# Altium PCB linux-mem.pcbdoc
Units mm, origin at the board's own origin, x right, y up, seen from the top; angles counter-clockwise.
Board outline 98.42 x 69.6 mm, 2 copper layers (Top Layer, Bottom Layer); 46 components, 33 nets, 269 pads, 299 vias.
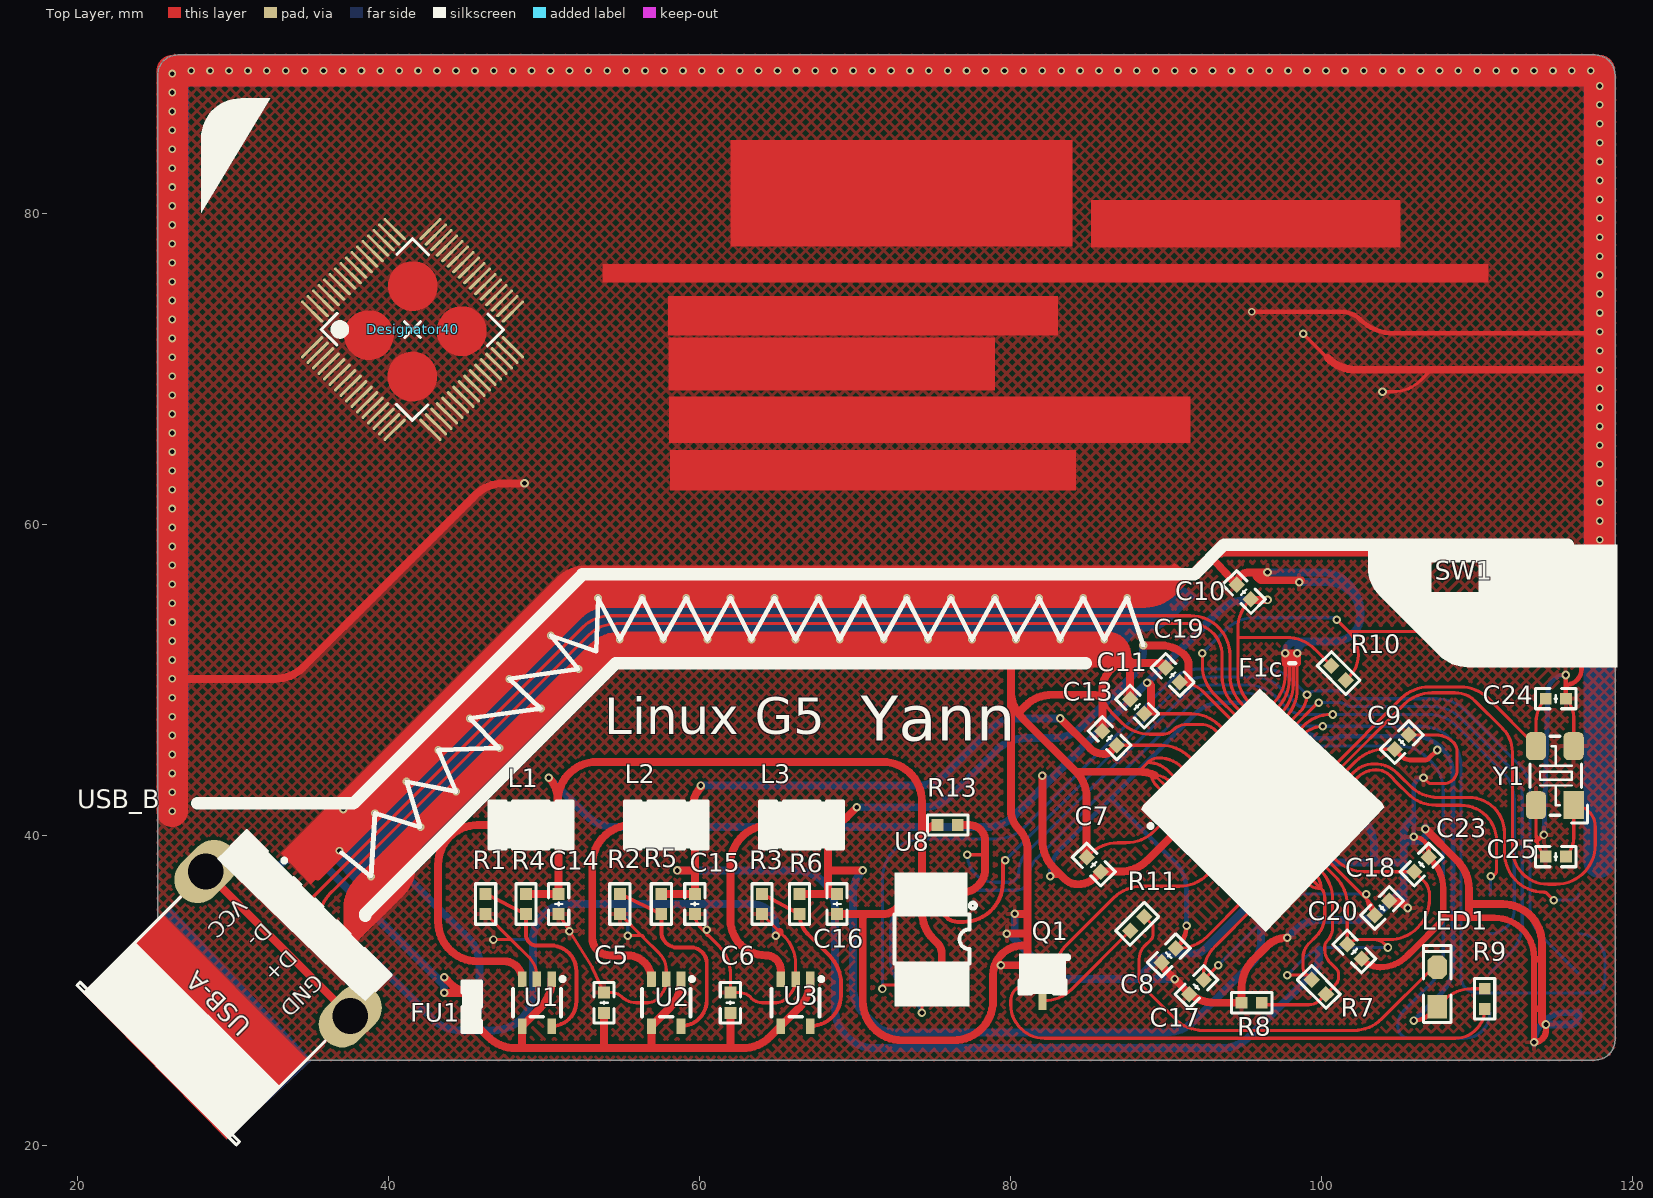
[diagram p0: Top Layer view]
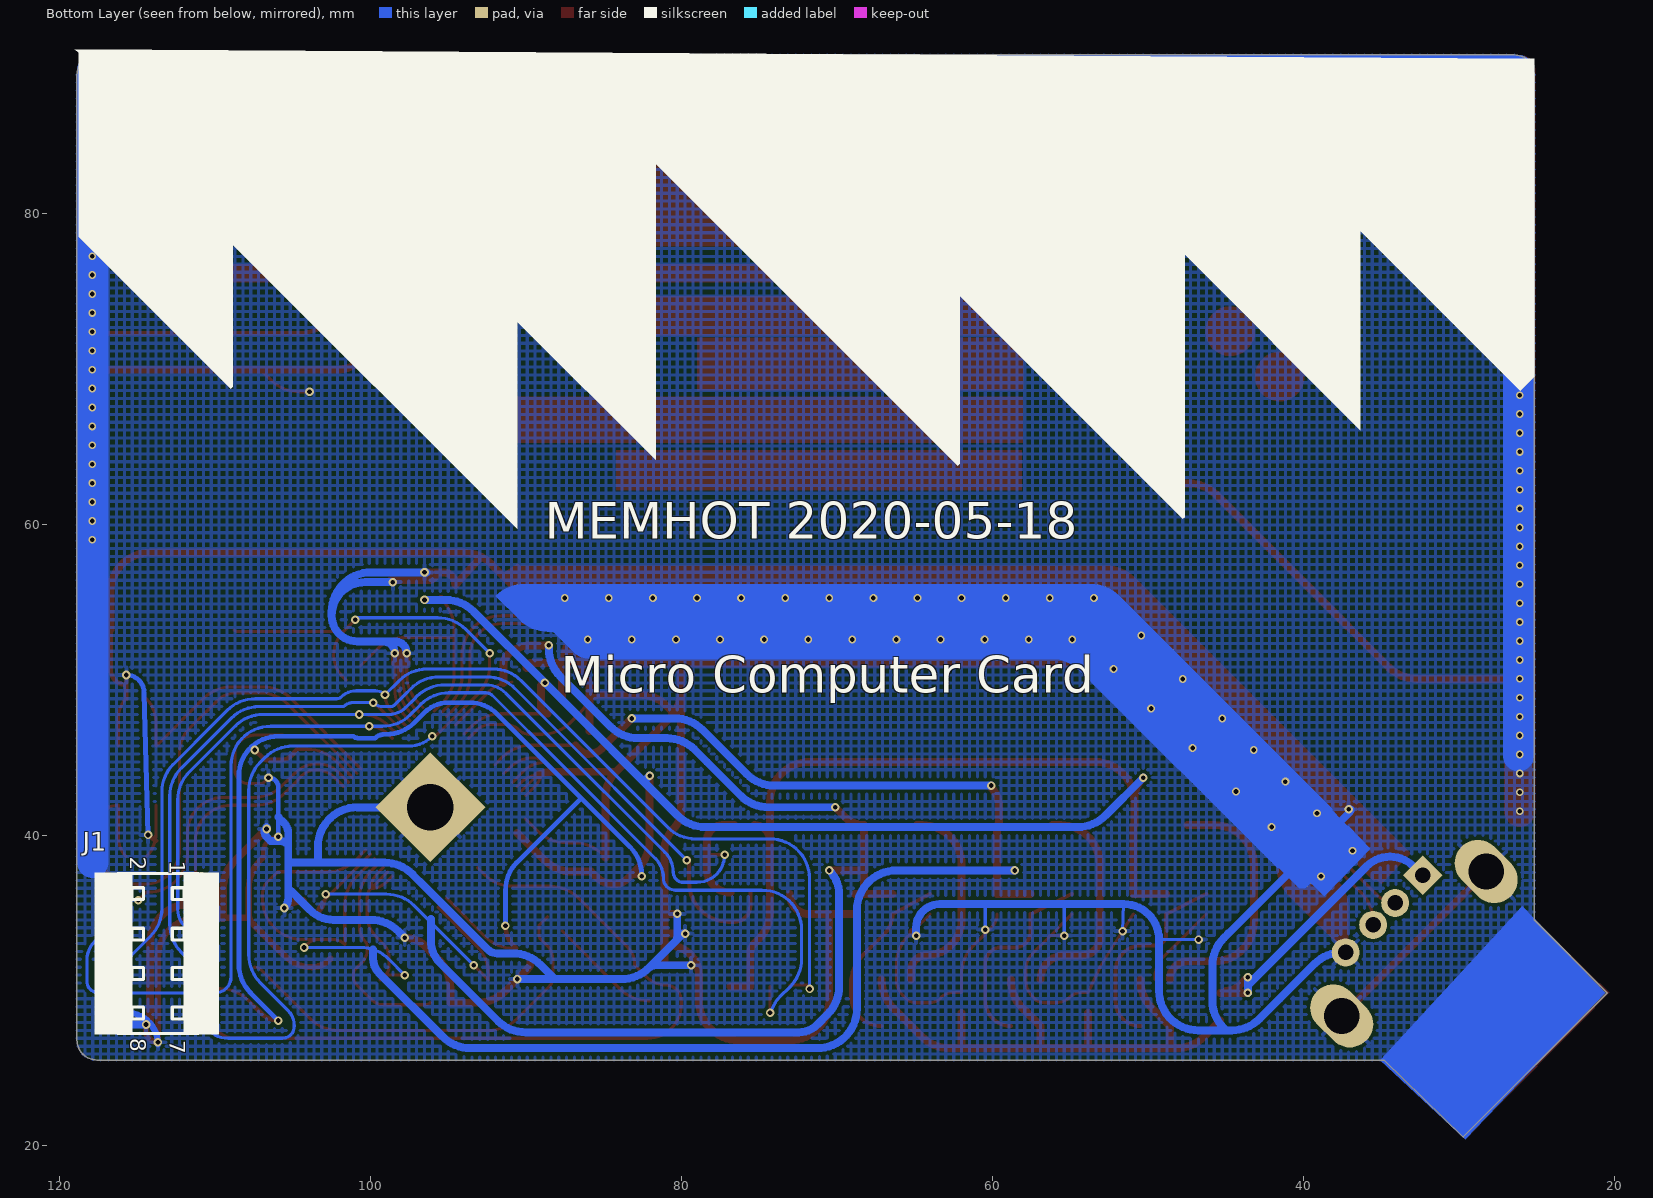
[diagram p1: Bottom Layer view, seen from below]

## Layer stack, top to bottom
Top Solder: solder mask 0.0102, Solder Resist, Dk 3.5
Top Layer: signal copper 0.0356
Dielectric1: dielectric 0.32, FR-4, Dk 4.8
Bottom Layer: signal copper 0.0356
Bottom Solder: solder mask 0.0102, Solder Resist, Dk 3.5

## Board outline
20.447,29.845 25.146,34.544 25.146,88.9 cw(c26.416,88.9) 26.416,90.17 117.602,90.17 cw(c117.602,88.9) 118.872,88.9 118.872,26.797 cw(c117.602,26.797) 117.602,25.527 34.798,25.527 29.718,20.574

## Design rules (kind name [scope] priority, off if disabled: settings)
Clearance [All] p1: gap=0.203 ignorepadtopadclearanceinfootprint=FALSE except(0: Arc-Hole Track-Hole SMDPad-Hole THPad-Hole Via-Hole Fill-Hole Poly-Hole Region-Hole Text-Hole)
PolygonConnect [All] p1: connectstyle=Relief reliefconductorwidth=0.254 reliefentries=4 polygonreliefangle="90 Angle" airgapwidth=0.254
RoomDefinition linux [InComponentClass('linux')] p1: confinementstyle=ConfineIn formatcopy=TRUE lockcomponents=FALSE outline 137.287,25.908 390.271,25.908 390.271,45.466 137.287,45.466
RoutingVias [All] p1: holewidth=0.3 width=0.55 viastyle="Through Hole" minholewidth=0.3 minwidth=0.55 maxholewidth=0.3 maxwidth=0.55
SilkToSolderMaskClearance SilkscreenOverComponentPads [IsPad] p1: minsilkscreentomaskgap=0.254 clearancetoexposedcopper=TRUE
SolderMaskExpansion [All] p1: expansion=0.102
Width [All] p1: maxlimit=0.508 minlimit=0.203 preferedwidth=0.406
29 further rules are at their usual default settings.

## Components (designator, comment, footprint, x,y, rotation, side; value= is the part's Value field where it differs from the comment)
C5 "2u2" "C 0603_L" 53.848,29.21 r90 top
C6 "2u2" "C 0603_L" 61.976,29.21 r90 top
C7 "2U2" "C 0603_L" 85.344,38.1 r315 top
C8 "100n" "C 0603_L" 90.17,32.258 r45 top
C9 "100n" "C 0603_L" 105.156,45.974 r225 top
C10 "100n" "C 0603_L" 94.996,55.626 r315 top
C11 "100n" "C 0603_L" 88.138,48.26 r315 top
C13 "100n" "C 0603_L" 86.36,46.228 r315 top
C14 "22u" "C 0603_L" 50.927,35.56 r90 top
C15 "22u" "C 0603_L" 59.69,35.56 r90 top
C16 "22u" "C 0603_L" 68.834,35.56 r90 top
C17 "100n" "C 0603_L" 91.948,30.226 r45 top
C18 "100n" "C 0603_L" 103.886,35.306 r225 top
C19 "100n" "C 0603_L" 90.424,50.292 r315 top
C20 "1u" "C 0603_L" 102.108,32.512 r135 top
C23 "1u" "C 0603_L" 106.426,38.1 r225 top
C24 "30P" "C 0603_L" 115.062,48.768 r180 top
C25 "30P" "C 0603_L" 115.062,38.608 r0 top
Designator40 "Comment" STC8A8K64S4A12_LQFP64S 41.529,72.517 r45 top
F1c "F1C100S" QFN-88_10.0X10.0XP04MM 96.139,41.783 r45 top
FU1 "5V 800mA" "FU 0603" 45.339,28.956 r270 top
J1 "Header 4X2" HDR2.54-M-LS-2x4P 113.665,32.385 r270 bottom
L1 "2U2" "L 1210" 49.149,40.64 r0 top
L2 "2U2" "L 1210" 57.848,40.64 r0 top
L3 "2U2" "L 1210" 66.548,40.64 r0 top
LED1 "红色" "LED 0805B" 107.442,30.226 r90 top
Q1 "Device:Q_NMOS_GSD" SOT23-3N 82.042,30.48 r180 top
R1 "11K" "R 0603_L" 46.228,35.56 r270 top
R2 "11K" "R 0603_L" 54.864,35.56 r270 top
R3 "10K" "R 0603_L" 64.008,35.56 r270 top
R4 "49K9" "R 0603_L" 48.831,35.56 r90 top
R5 "36K" "R 0603_L" 57.531,35.56 r90 top
R6 "8K2" "R 0603_L" 66.421,35.56 r90 top
R7 "2K2" "R 0603_L" 99.822,30.226 r315 top
R8 "2K2" "R 0603_L" 95.504,29.21 r180 top
R9 "49K9" "R 0603_L" 110.49,29.464 r90 top
R10 "49K9" "R 0603_L" 101.092,50.419 r135 top
R11 "R" "R 0603_L" 88.138,34.29 r45 top
R13 "3K3" "R 0603_L" 75.946,40.64 r0 top
SW1 "3x6x5" "TSW SMD-3*6*2.5" 112.776,53.213 r0 top
U1 "JW5211" SOT-23-5_L3.0-W1.7-P0.95-LS2.8-BL 49.53,29.21 r180 top
U2 "JW5211" SOT-23-5_L3.0-W1.7-P0.95-LS2.8-BL 57.848,29.21 r180 top
U3 "JW5211" SOT-23-5_L3.0-W1.7-P0.95-LS2.8-BL 66.167,29.21 r180 top
U8 "AT25SF081-SSHD-X" SOIC-8_150MIL 74.93,33.274 r270 top
USB_B "USB" USB-A/S_A 34.798,34.925 r225 top
Y1 "24M" "OSC 5032-4P" 115.062,43.815 r90 top

## Footprints (in the part's own frame and the unit in brackets; to place one, negate y for a bottom-side part, rotate by r counter-clockwise, add the part's x,y. Pads: shape width x height; smd on the part's side, far side on the other; paste and mask are expansions set on the pad)
"C 0603_L" [mil] "无极性贴片电容"
  rect 30x30 smd: 1(-25.59,0) 2(25.59,0)
  silkscreen extent -51,-26 51,26, body extent -31,-16 31,16, height 32
"FU 0603" [mil] "贴片保险丝"
  rect 35x35 smd: 1(-35,0) 2(35,0)
  silkscreen extent -65,-25 65,25, body extent -31,-16 31,16, height 20
HDR2.54-M-LS-2x4P [mm] "脚距：2.54mm，贴片双排母"
  rect 1.02x1.9 smd: 1(-3.81,2.85) 2(-3.81,-2.85) 3(-1.27,2.85) 4(-1.27,-2.85) 5(1.27,2.85) 6(1.27,-2.85) 7(3.81,2.85) 8(3.81,-2.85)
  silkscreen extent -5.15,-2.6 5.14,2.6, body extent -5.11,-3.2 5.11,3.2, height 5.15
"L 1210" [mil] "小功率贴片电感"
  rect 50x105 smd: 1(-67.5,0) 2(67.5,0)
  silkscreen extent -105,-60 105,60, body extent -63,-49 63,49, height 51
"LED 0805B" [mil] "蓝色0805LED"
  rect 60x50 smd: 1(-50,0)
  oct 60x50 smd: 2(50,0)
  silkscreen extent -90,-35 105,35, body extent -39,-25 39,25, height 32
"OSC 5032-4P" [mm] "5mm*3.2mm*0.8mm(长*宽*高)"
  rect 1.8x1.3 smd: 1(-1.9,-1.15)
  rrect50% 1.8x1.3 smd: 2(1.9,-1.15) 3(1.9,1.272) 4(-1.9,1.272)
  silkscreen extent -3.05,-2.03 2.54,1.65, body extent -2.5,-1.6 2.5,1.6, height 0.86
QFN-88_10.0X10.0XP04MM [mm]
  rect 0.95x0.249 smd: 1(-4.875,4.2) 3(-4.875,3.4) 5(-4.875,2.6) 7(-4.875,1.8) 9(-4.875,1) 11(-4.875,0.2) 13(-4.875,-0.601) 14(-4.875,-0.999) 15(-4.875,-1.401) 16(-4.875,-1.799) 17(-4.875,-2.201) 18(-4.875,-2.6) 19(-4.875,-3.001) 20(-4.875,-3.4) 22(-4.875,-4.2) 45(4.876,-4.2) 47(4.876,-3.4) 48(4.876,-3.001) 49(4.876,-2.6) 50(4.876,-2.201) 51(4.876,-1.799) 52(4.876,-1.401) 53(4.876,-0.999) 54(4.876,-0.601) 56(4.876,0.2) 58(4.876,1) 60(4.876,1.8) 62(4.876,2.6) 64(4.876,3.4) 66(4.876,4.2)
  rect 0.95x0.251 smd: 2(-4.875,3.8) 4(-4.875,3) 6(-4.875,2.2) 8(-4.875,1.4) 10(-4.875,0.6) 12(-4.875,-0.201) 21(-4.875,-3.8) 46(4.876,-3.8) 55(4.876,-0.201) 57(4.876,0.6) 59(4.876,1.4) 61(4.876,2.2) 63(4.876,3) 65(4.876,3.8)
  rect 0.249x0.95 smd: 23(-4.199,-4.875) 24(-3.801,-4.875) 25(-3.399,-4.875) 26(-3,-4.875) 27(-2.599,-4.875) 28(-2.2,-4.875) 30(-1.4,-4.875) 32(-0.6,-4.875) 34(0.2,-4.875) 36(1,-4.875) 38(1.8,-4.875) 40(2.6,-4.875) 42(3.4,-4.875) 44(4.2,-4.875) 67(4.2,4.876) 69(3.4,4.876) 71(2.6,4.876) 73(1.8,4.876) 75(1,4.876) 77(0.2,4.876) 79(-0.6,4.876) 81(-1.4,4.876) 83(-2.2,4.876) 84(-2.599,4.876) 85(-3.001,4.876) 86(-3.399,4.876) 87(-3.801,4.876) 88(-4.199,4.876)
  rect 0.251x0.95 smd: 29(-1.8,-4.875) 31(-1,-4.875) 33(-0.2,-4.875) 35(0.6,-4.875) 37(1.4,-4.875) 39(2.2,-4.875) 41(3,-4.875) 43(3.8,-4.875) 68(3.8,4.876) 70(3,4.876) 72(2.2,4.876) 74(1.4,4.876) 76(0.6,4.876) 78(-0.2,4.876) 80(-1,4.876) 82(-1.8,4.876)
  rect 5x5 hole 3: 89(0.001,0)
  silkscreen extent -6.02,-5 5,5
"R 0603_L" [mil] "1/10W贴片电阻"
  rect 30x30 smd: 1(-25.59,0) 2(25.59,0)
  silkscreen extent -51,-26 51,26, body extent -31,-16 31,16, height 16
SOIC-8_150MIL [mm]
  oval 2.2x0.7 smd: 1(-3.023,1.905) 2(-3.023,0.635) 3(-3.023,-0.635) 4(-3.023,-1.905) 5(3.023,-1.905) 6(3.023,-0.635) 7(3.023,0.635) 8(3.023,1.905)
  silkscreen extent -2.37,-2.41 1.55,2.83
SOT23-3N [mm] "3x1.3x1mm(长宽高)"
  rect 0.5x1.2 smd: 1(-0.95,-1.143) 2(0.95,-1.143) 3(0,1.143)
  silkscreen extent -1.73,-1.78 1.5,0.7, body extent -1.5,-1.2 1.5,1.2, height 1.05
SOT-23-5_L3.0-W1.7-P0.95-LS2.8-BL [mm]
  rect 0.55x1 smd: 1(-0.95,-1.5) 2(0,-1.5) 3(0.95,-1.5) 4(0.95,1.5) 5(-0.95,1.5)
  silkscreen extent -1.78,-1.65 1.55,0.9
STC8A8K64S4A12_LQFP64S [mm] "STC8A8K64S4A12_LQFP64S"
  oval 1.95x0.2 smd mask+0.05: 1(-5.375,3.75) 2(-5.375,3.25) 3(-5.375,2.75) 4(-5.375,2.25) 5(-5.375,1.75) 6(-5.375,1.25) 7(-5.375,0.75) 8(-5.375,0.25) 9(-5.375,-0.25) 10(-5.375,-0.75) 11(-5.375,-1.25) 12(-5.375,-1.75) 13(-5.375,-2.25) 14(-5.375,-2.75) 15(-5.375,-3.25) 16(-5.375,-3.75) 33(5.375,-3.75) 34(5.375,-3.25) 35(5.375,-2.75) 36(5.375,-2.25) 37(5.375,-1.75) 38(5.375,-1.25) 39(5.375,-0.75) 40(5.375,-0.25) 41(5.375,0.25) 42(5.375,0.75) 43(5.375,1.25) 44(5.375,1.75) 45(5.375,2.25) 46(5.375,2.75) 47(5.375,3.25) 48(5.375,3.75)
  oval 0.2x1.95 smd mask+0.05: 17(-3.75,-5.375) 18(-3.25,-5.375) 19(-2.75,-5.375) 20(-2.25,-5.375) 21(-1.75,-5.375) 22(-1.25,-5.375) 23(-0.75,-5.375) 24(-0.25,-5.375) 25(0.25,-5.375) 26(0.75,-5.375) 27(1.25,-5.375) 28(1.75,-5.375) 29(2.25,-5.375) 30(2.75,-5.375) 31(3.25,-5.375) 32(3.75,-5.375) 49(3.75,5.375) 50(3.25,5.375) 51(2.75,5.375) 52(2.25,5.375) 53(1.75,5.375) 54(1.25,5.375) 55(0.75,5.375) 56(0.25,5.375) 57(-0.25,5.375) 58(-0.75,5.375) 59(-1.25,5.375) 60(-1.75,5.375) 61(-2.25,5.375) 62(-2.75,5.375) 63(-3.25,5.375) 64(-3.75,5.375)
  silkscreen extent -4.15,-4.15 4.12,4.15, body extent -6.01,-6.01 6.01,6.01, height 1.35
"TSW SMD-3*6*2.5" [mm] "3*6*2.5mm"
  rect 2x1.5 smd: 1(-3.996,-0.02) 2(3.937,0)
  silkscreen extent -3.21,-1.9 3.09,1.9, body extent -4,-1.88 4,1.62, height 2.59
USB-A/S_A [mm] "A型直插母头，"
  rect 1.8x1.8 hole 1: 1(0,-3.5)
  round 1.8 hole 1: 2(0,-1) 3(0,1) 4(0,3.5)
  oval 4.5x3 hole 2.3: 4(2.71,6.57) 4(2.71,-6.57)
  silkscreen extent -1.47,-7.25 13.75,7.25, body extent -7.21,-14 20.8,14, height 6.8

## Part data
C5 C6 C7 C8 C9 C10 C11 C13 C14 C15 C16 C17 C18 C19 C20 C23 C24 C25: library part C, "无极性贴片电容"
F1c: library part F1C100S_1
FU1: library part FU, "贴片保险丝"
J1: "4*2P接插件"
L1 L2 L3: library part L, "小功率贴片电感"
LED1: library part LED-SMD, "贴片LED"
R1 R2 R3 R4 R5 R6 R7 R8 R9 R10 R13: library part R, "贴片电阻"
R11: "贴片电阻"
SW1: library part "TSW 3x6", "3x6轻触开关"
USB_B: library part USB-A/S, "USB-A型母接口"
Y1: library part XTAL-4P, "4脚无源晶振"

## Via types
v1: diameter 0.5, hole 0.3, Top Layer to Bottom Layer, 239 vias
v2: diameter 0.55, hole 0.3, Top Layer to Bottom Layer, 59 vias
v3: diameter 0.66, hole 0.33, Top Layer to Bottom Layer, 1 vias

## Nets (pads, with @x,y where several pads share a name; then routed paths per layer and width w, separated by ;. In a path a pad name is that pad's centre, name@x,y a point inside that pad or via, vN(x,y) a via of type N, cw(c..) or ccw(c..) an arc to the next point about the centre after c; other vN are vias at no path point)
+1V1: C16.2 C17.2 C18.2 C19.2 F1c.22 F1c.35 F1c.71 L3.2 R6.2 | length 108.8
  Top Layer w0.203: C19.2 cw(c90.883,47.7) 92.392,49.208 F1c.71 ; v2(93.345,31.623) C17.2 92.408,31.06 cw(c94.948,31.06) 93.152,32.856 F1c.22 ; F1c.35 103.075,35.696 cw(c102.225,34.847) C18.2 cw(c104.77,36.19) 102.87,36.19 v2(102.87,36.195)
  Top Layer w0.508: R6.2 C16.2 ; 68.199,36.21 ccw(c68.199,36.273) 68.263,36.273 68.263,37.719 ; v2(70.104,41.783) 69.455,41.134 cw(c68.263,42.326) L3.2 68.263,37.719 ; v2(70.485,37.719) 68.263,37.719 ; v2(88.519,52.197) 89.653,52.197 cw(c89.653,50.029) 91.186,51.562 cw(c90.573,50.949) 91.44,50.949 91.44,49.784
  Bottom Layer w0.203: v2(93.345,31.623) 97.173,35.451 cw(c98.969,33.655) 98.969,36.195 v2(102.87,36.195)
  Bottom Layer w0.508: v2(70.104,41.783) 74.386,41.783 ccw(c74.386,44.323) 76.182,42.527 78.359,44.704 79.139,45.484 cw(c80.935,43.688) 80.935,46.228 82.55,46.228 82.768,46.228 ccw(c82.768,48.768) 84.564,46.972 85.598,48.006 87.775,50.183 ccw(c85.979,51.979) 88.519,51.979 v2(88.519,52.197) ; v2(70.485,37.719) ccw(c72.018,36.186) 69.85,36.186 69.85,30.734 69.85,30.262 ccw(c72.39,30.262) 70.594,28.466 71.247,27.813 ccw(c72.473,29.039) 72.473,27.305 76.2,27.305 90.007,27.305 ccw(c90.007,29.845) 91.803,28.049 95.504,31.75 ccw(c94.039,33.215) 96.111,33.215 96.111,34.585
+2V5: C13.2 C15.2 C20.2 C23.2 F1c.30 F1c.31 F1c.32 F1c.34 F1c.36 F1c.80 L2.2 R5.2 R7.1 | length 141.8
  Top Layer w0.203: C13.2 89.687,45.768 cw(c89.687,43.228) 91.483,45.024 F1c.80 ; v2(97.79,30.988) 99.06,30.988 cw(c99.06,30.686) R7.1 98.986,31.062 cw(c99.419,31.496) 98.806,31.496 98.806,32.1 cw(c100.107,32.1) 99.187,33.02 99.664,33.497 ccw(c98.363,34.798) 100.203,34.798 100.203,35.988 ccw(c99.397,35.988) 99.967,36.558 ; F1c.30 98.971,36.97 ccw(c99.967,37.966) 99.967,36.558 ; F1c.31 cw(c98.879,37.586) 98.909,37.616 99.695,36.83 99.967,36.558 ; F1c.32 99.579,37.494 cw(c98.644,36.558) 99.967,36.558 ; F1c.34 100.905,37.3 cw(c99.109,35.504) 101.649,35.504 C20.2 cw(c102.378,32.242) 102.378,33.274 103.378,33.274 ; F1c.36 100.952,38.384 ccw(c102.748,40.181) 102.748,37.641 C23.2 106.596,37.011 cw(c105.78,36.195) 106.934,36.195 106.934,35.85 cw(c104.394,35.85) 106.19,34.054 106.172,34.036 106.154,34.018 cw(c104.358,35.814) 104.358,33.274 103.378,33.274 ; v2(104.267,32.766) 104.028,33.005 ccw(c103.378,32.354) 103.378,33.274
  Top Layer w0.508: R5.2 C15.2 59.69,37.592 ; v2(58.547,37.719) 59.383,37.719 cw(c59.383,37.285) 59.69,37.592 ; v2(60.071,43.18) 60.071,43.053 ccw(c61.297,41.827) 59.563,41.827 L2.2 cw(c59.563,40.513) 59.69,40.513 59.69,37.592 ; v2(83.185,47.498) 85.112,45.571 ccw(c85.979,46.438) 85.979,45.212 ccw(c85.979,45.898) 86.464,45.413 C13.2
  Bottom Layer w0.203: v2(97.79,30.988) 98.824,32.022 cw(c100.62,30.226) 100.62,32.766 v2(104.267,32.766)
  Bottom Layer w0.508: v2(58.547,37.719) 66.167,37.719 cw(c66.167,35.179) 68.707,35.179 68.707,32.258 68.707,28.829 ccw(c71.247,28.829) 71.283,26.289 83.82,26.289 93.563,26.289 ccw(c93.563,28.829) 95.359,27.033 99.441,31.115 ccw(c98.521,32.035) 99.822,32.035 99.822,32.639 ; v2(60.071,43.18) 74.005,43.18 ccw(c74.005,45.72) 75.801,43.924 78.613,46.736 78.631,46.754 cw(c80.427,44.958) 80.427,47.498 v2(83.185,47.498)
+3V3: C7.2 C8.2 C9.2 C10.2 C11.2 C14.2 F1c.4 F1c.5 F1c.20 F1c.50 F1c.67 F1c.73 L1.2 LED1.1 R4.2 R9.2 R10.2 R13.1 U8.3 U8.7 U8.8 | length 228
  Top Layer w0.203: C11.2 91.615,47.8 cw(c91.615,45.26) 93.411,47.056 F1c.73 ; C8.2 90.829,32.717 ccw(c90.829,35.257) 92.625,33.461 F1c.20 ; 94.615,52.705 97.754,52.705 cw(c97.754,50.165) 99.55,51.961 R10.2 ; C10.2 95.359,55.07 ccw(c97.155,53.274) 94.615,53.274 94.615,50.292 ccw(c97.137,50.292) 95.354,48.508 F1c.67 F1c.67@95.89,47.972 ; F1c.50 102.239,44.771 cw(c104.035,42.975) 104.035,45.515 C9.2 ; LED1.1 107.856,29.37 cw(c109.652,27.574) 109.652,30.114 R9.2
  Top Layer w0.305: 82.786,37.864 cw(c82.086,37.864) 82.581,37.369 v2(82.55,37.338) cw(c82.681,37.207) 82.681,37.392 83.258,37.392 ; C8.2 90.774,32.862 ccw(c89.473,34.163) v2(91.313,34.163) ; C9.2 105.164,45.047 ccw(c105.686,45.57) 105.686,44.831 106.68,44.831 ccw(c106.68,45.138) 106.897,44.921 v2(107.442,45.466) ; v2(105.918,28.067) ccw(c105.918,29.6) 107.002,28.516 LED1.1
  Top Layer w0.508: R4.2 C14.2 50.927,40.576 ccw(c50.863,40.576) L1.2 ; v2(50.292,43.688) cw(c48.912,42.308) 50.863,42.308 L1.2 ; 74.295,39.243 74.295,42.164 ccw(c71.755,42.164) 71.755,44.704 67.691,44.704 53.404,44.704 ccw(c53.404,42.164) 50.863,42.164 L1.2 ; R13.1 ccw(c75.296,39.639) 74.295,39.639 U8.3 74.295,35.088 ccw(c76.835,35.088) 75.039,33.292 75.311,33.02 cw(c74.698,32.407) 75.565,32.407 U8.7 U8.8 ; v2(82.042,43.815) 82.042,39.66 ccw(c84.582,39.66) 82.786,37.864 83.058,37.592 83.461,37.189 ccw(c84.328,38.056) 84.328,36.83 ccw(c84.328,38.436) 85.463,37.3 C7.2 ; C7.2@85.737,37.574 C7.2 ; C11.2 ccw(c88.597,48.23) 89.027,48.23 89.027,49.53 ccw(c88.773,49.53) v2(88.773,49.784) ; 90.551,40.132 88.803,38.384 cw(c87.007,40.18) 87.007,37.64 C7.2 ; C10.2 ccw(c95.504,55.166) 95.504,55.118 v2(96.52,55.118)
  Bottom Layer w0.305: v2(82.55,37.338) 82.55,37.429 cw(c85.09,37.429) 83.294,39.225 91.44,47.371 91.865,47.796 cw(c93.599,46.061) 93.599,48.514 94.987,48.514 cw(c94.987,46.346) 96.52,47.879 97.173,47.226 ccw(c98.969,49.022) 98.969,46.482 99.06,46.482 99.082,46.482 cw(c99.082,45.615) 99.695,46.228 100.785,46.228 ccw(c100.785,46.662) 101.092,46.355 103.469,46.355 105.918,46.355 cw(c105.918,43.815) 108.458,43.815 108.458,41.366 108.458,35.56 108.458,31.659 cw(c105.918,31.659) 107.714,29.863 v2(105.918,28.067) ; 86.442,42.373 90.569,38.246 cw(c88.773,36.45) 91.313,36.45 v2(91.313,34.163) ; v2(107.442,45.466) cw(c107.749,45.466) 107.532,45.683 107.569,45.72
  Bottom Layer w0.508: v2(50.292,43.688) 52.723,41.257 ccw(c54.519,43.053) 54.519,40.513 65.278,40.513 78.45,40.513 ccw(c78.45,43.053) 80.246,41.257 v2(88.773,49.784) 93.363,54.374 cw(c95.159,52.578) 95.159,55.118 v2(96.52,55.118) ; v2(82.042,43.815) 82.27,43.587 ccw(c82.486,43.804) 82.486,43.497
CLKN: C25.2 F1c.51 Y1.1 | length 36.5
  Top Layer w0.203: F1c.51 105.306,48.405 cw(c107.102,46.609) 107.102,49.149 108.585,49.149 cw(c108.585,47.309) 109.886,48.61 111.633,46.863 cw(c110.1,45.33) 112.268,45.33 112.268,39.751 112.268,39.116 ccw(c114.554,39.116) 114.554,36.83 115.062,36.83 ccw(c115.062,39.37) 117.602,39.37 117.602,39.751 117.602,40.525 ccw(c116.212,40.525) Y1.1 116.212,39.815 cw(c114.505,39.815) C25.2
CLKP: C24.2 F1c.52 Y1.3 | length 20
  Top Layer w0.203: F1c.52 105.123,48.786 cw(c106.919,46.99) 106.919,49.53 108.585,49.53 108.923,49.53 cw(c108.923,46.99) 110.719,48.786 Y1.3 113.79,47.266 cw(c115.914,47.266) C24.2
FUSE_PWR: C5.1 C6.1 FU1.2 U1.1 U1.4 U2.1 U2.4 U3.1 U3.4 | length 39.5
  Top Layer w0.508: FU1.2 46.373,27.033 ccw(c48.169,28.829) 48.169,26.289 55.753,26.289 62.744,26.289 ccw(c62.744,28.829) 64.54,27.033 U3.4 66.373,28.866 ccw(c64.577,30.662) 67.117,30.662 U3.1 ; 48.514,26.289 ccw(c48.355,26.448) 48.58,26.448 U1.4 49.736,28.866 ccw(c47.94,30.662) 50.48,30.662 U1.1 ; 53.721,26.289 ccw(c53.414,26.596) 53.848,26.596 C5.1 ; 56.896,26.289 56.896,27.704 cw(c56.904,27.704) U2.4 58.055,28.866 ccw(c56.259,30.662) 58.799,30.662 U2.1 ; C6.1 61.976,26.595 ccw(c62.409,26.595) 62.103,26.289
GND: C5.2 C6.2 C7.1 C8.1 C9.1 C10.1 C11.1 C13.1 C14.1 C15.1 C16.1 C17.1 C18.1 C19.1 C20.1 C23.1 C24.1 C25.1 F1c.2 F1c.63 F1c.64 F1c.65 F1c.66 F1c.74 F1c.82 F1c.84 F1c.85 F1c.86 F1c.87 F1c.89 J1.8 Q1.2 R1.2 R2.2 R3.2 R8.2 SW1.2 U1.2 U2.2 U3.2 U8.4 USB_B.4 Y1.2 Y1.4 | length 609.1
  Top Layer w0.203: R1.2 cw(c46.228,34.873) 46.254,34.899 47.879,33.274 ; v2(46.736,33.274) 47.879,33.274 ; U1.2 49.53,30.905 ccw(c47.796,30.905) 49.022,32.131 47.879,33.274 ; v2(51.621,33.812) C14.1 53.086,31.496 C5.2 54.342,29.86 cw(c54.342,28.942) 54.991,29.591 ccw(c55.911,30.511) 55.911,29.21 56.007,29.21 56.664,29.21 ccw(c56.664,30.077) 57.277,29.464 57.372,29.559 ccw(c56.22,30.71) U2.2 57.848,31.312 ccw(c56.331,31.312) 57.404,32.385 56.388,33.401 ; R2.2 cw(c54.864,34.873) 54.89,34.899 56.388,33.401 ; v2(55.372,33.528) 56.261,33.528 cw(c56.261,33.401) 56.388,33.401 ; C15.1 ccw(c60.88,34.91) 60.039,34.068 60.579,33.528 ; v2(60.452,33.909) 60.452,33.655 ccw(c60.579,33.655) 60.579,33.528 ; R3.2 65.423,33.495 cw(c63.627,31.699) 66.167,31.699 U3.2 cw(c64.692,30.71) 65.735,29.667 65.532,29.464 cw(c64.919,30.077) 64.919,29.21 64.008,29.21 cw(c64.008,30.13) 63.358,29.479 63.246,29.591 ccw(c62.597,28.942) 62.597,29.86 C6.2 61.976,31.079 ccw(c59.436,31.079) 61.232,32.875 60.579,33.528 ; C7.1 85.078,38.753 cw(c86.874,36.957) 86.874,39.497 87.249,39.497 87.427,39.497 ccw(c87.427,42.037) 89.223,40.241 F1c.2 ; 85.9,49.355 ccw(c88.046,49.355) 86.529,47.837 86.868,47.498 87.14,47.226 ccw(c88.936,49.022) 88.936,46.482 89.154,46.482 89.811,46.482 ccw(c89.811,47.349) 90.424,46.736 cw(c91.344,45.816) 91.344,47.117 92.202,47.117 cw(c92.202,45.71) 93.197,46.705 F1c.74 ; 88.229,44.069 88.823,44.663 ; 89.291,43.836 cw(c89.291,42.505) 90.232,43.446 F1c.85 ; F1c.87 89.415,43.132 cw(c90.352,44.069) 89.027,44.069 cw(c89.027,44.024) 89.059,44.056 F1c.86 ; F1c.84 90.121,44.126 ccw(c88.823,42.828) 88.823,44.663 ; F1c.82 91.042,44.334 ccw(c89.535,42.826) 89.535,44.958 ccw(c89.535,43.951) 88.823,44.663 ; F1c.66 96.919,48.503 ccw(c95.123,50.299) 97.663,50.299 97.663,51.308 ; F1c.65 97.173,48.191 ccw(c95.377,49.987) 97.917,49.987 97.917,51.308 ; F1c.64 97.427,47.879 ccw(c95.631,49.675) 98.171,49.675 98.171,51.308 ; F1c.63 97.681,47.568 ccw(c95.885,49.364) 98.425,49.364 98.425,51.308 97.663,51.308 ; v2(97.663,51.689) 97.663,51.308 ; C9.1 107.348,46.434 cw(c107.348,44.864) 108.458,45.974 cw(c107.845,45.361) 108.712,45.361 108.712,44.196 108.712,44.174 cw(c107.845,44.174) 108.458,43.561 cw(c107.845,44.174) 107.845,43.307 107.061,43.307 cw(c107.061,43.614) 106.844,43.397 v2(106.553,43.688) ; Y1.4 113.79,40.109 ccw(c115.913,40.109) C25.1 ; C24.1 cw(c114.505,47.561) 116.212,47.561 Y1.2